# Altium PCB PCB MODULE AM625.PcbDoc (part 4 of 4)
Units mm, origin at the board's own origin, x right, y up, seen from the top; angles counter-clockwise.
Board outline 32.5 x 31.2 mm, 10 copper layers (Signal TOP, Ground Plane 1 (GND), Signal RAM 1, POWER 1, Signal IO 1, Signal IO 2, POWER 2, Signal RAM 2, Ground Plane 2 (GND), Signal Bottom), stack 1.563 mm thick; 228 components, 260 nets, 1274 pads, 470 vias.
Unrouted connection lines stored in the file: 1.
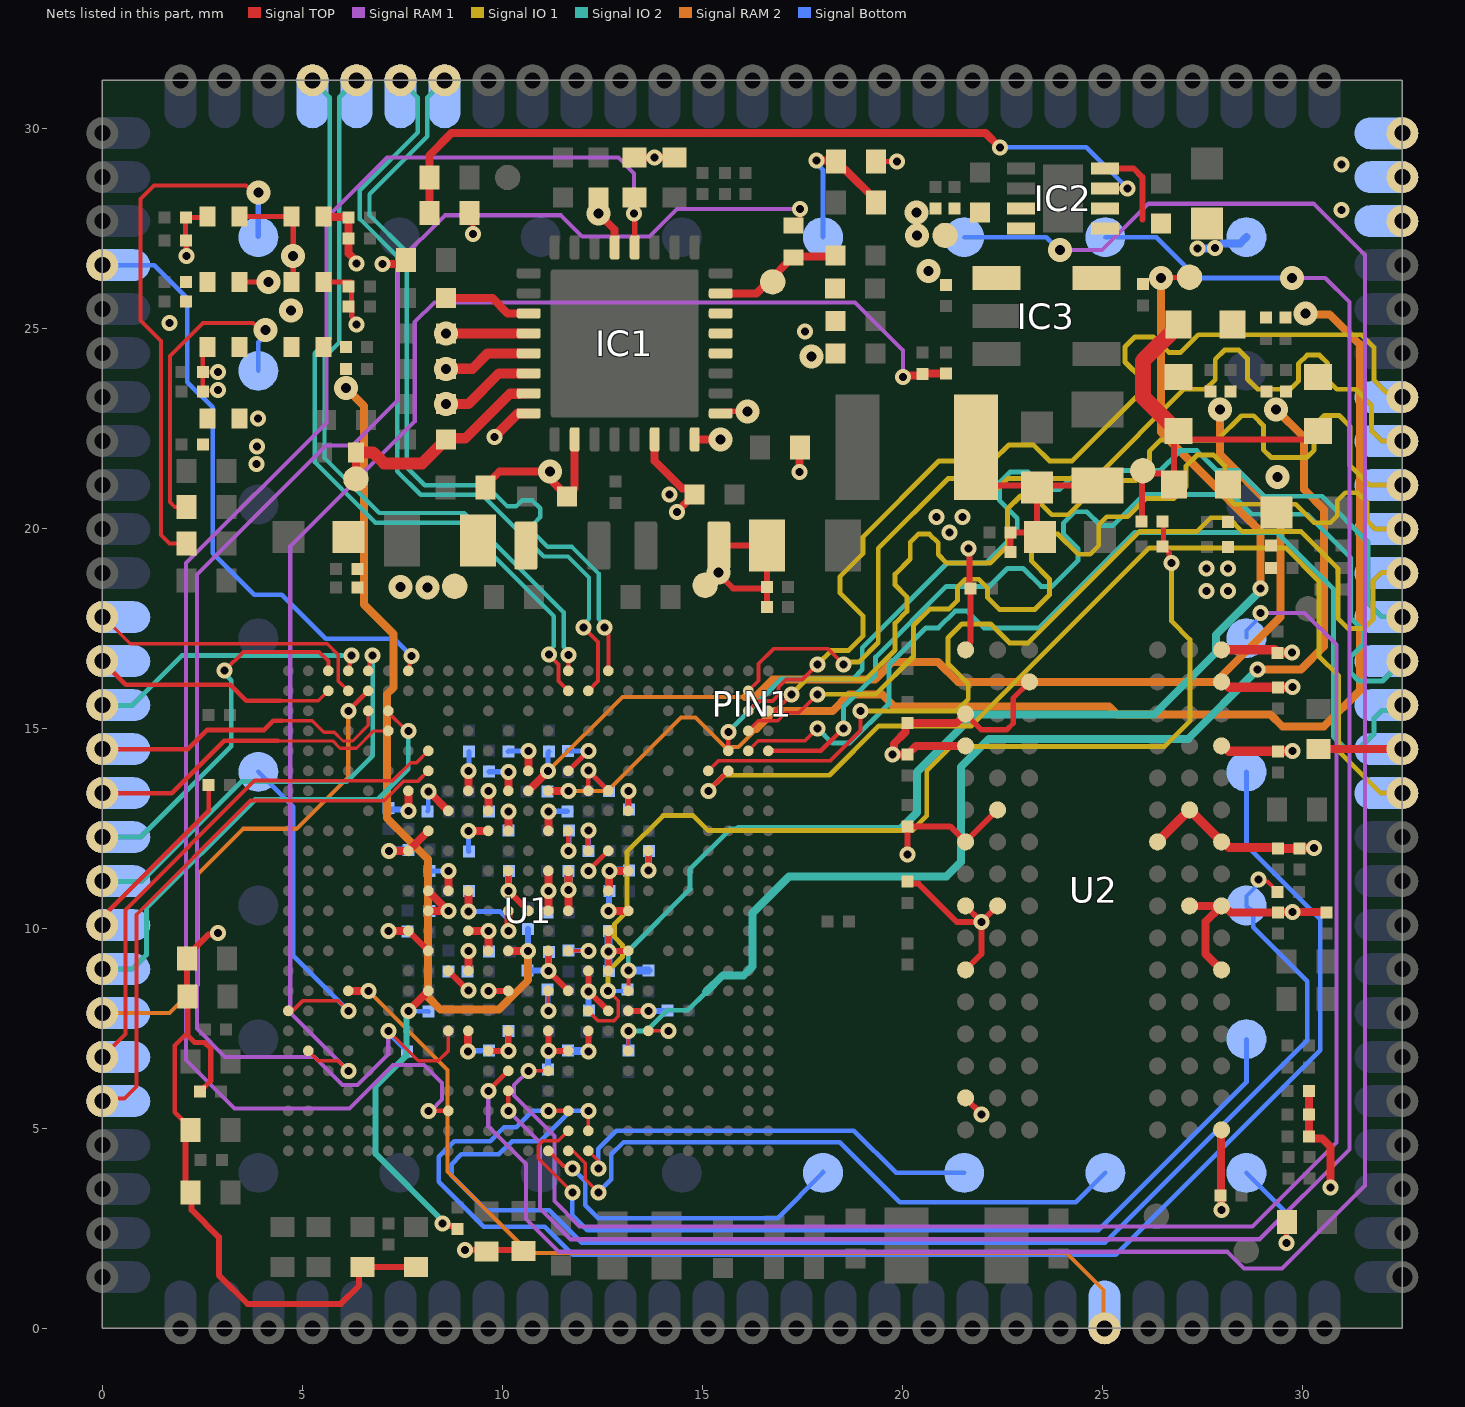
[diagram p12: the nets of this part, all layers, seen from the top]

## Via types
v1: diameter 0.4, hole 0.2, Signal TOP to Signal Bottom, tented both sides, 441 vias
v2: diameter 0.6, hole 0.25, Signal TOP to Signal Bottom, tented both sides, 29 vias

## Nets (pads, with @x,y where several pads share a name; then routed paths per layer and width w, separated by ;. In a path a pad name is that pad's centre, name@x,y a point inside that pad or via, vN(x,y) a via of type N, cw(c..) or ccw(c..) an arc to the next point about the centre after c; other vN are vias at no path point) (continued)
RGMII1_TXC: PIN1.24 PIN1.24_1 PIN1.24_2 U1.AE19 | length 15.5
  Signal TOP w0.114: U1.AE19@7.65,16.436 7.686,16.472 7.686,16.755 v1(7.732,16.802)
  Signal Bottom w0.117: PIN1.24_2@0,26.579 PIN1.24@0.4,26.579 1.296,26.579 2.126,25.749 2.126,23.656 2.76,23.022 2.76,19.374 3.795,18.339 4.486,18.339 5.585,17.24 7.294,17.24 v1(7.732,16.802)
RGMII2_RD0: PIN1.11 PIN1.11_1 PIN1.11_2 U1.AE23 | length 9.3
  Signal TOP w0.1: v1(3.056,16.442) 3.525,16.911 5.417,16.911 5.65,16.678 U1.AE23@5.65,16.436
  Signal IO 2 w0.122: PIN1.11_2@0,12.279 0.955,12.279 3.225,14.549 3.225,16.197 3.056,16.366 v1(3.056,16.442)
RGMII2_RD1: PIN1.12 PIN1.12_1 PIN1.12_2 U1.AB20 | length 7.9
  Signal TOP w0.08: 4.395,14.685 5.759,14.685 5.943,14.502 6.355,14.502 6.789,14.936 U1.AB20@7.15,14.936
  Signal TOP w0.117: PIN1.12_2@0,13.379 1.737,13.379 3.043,14.685 4.395,14.685
RGMII2_RD2: PIN1.13 PIN1.13_1 PIN1.13_2 U1.AC21 | length 7.7
  Signal TOP w0.08: 4.5,15.191 5.248,15.191 5.539,14.899 5.8,14.899 6.017,14.682 6.258,14.682 6.65,15.073 U1.AC21@6.65,15.436
  Signal TOP w0.117: PIN1.13_2@0,14.479 2.139,14.479 2.616,14.956 4.041,14.956 4.275,15.191 4.5,15.191
RGMII2_RD3: PIN1.14 PIN1.14_1 PIN1.14_2 U1.AE22 | length 7.2
  Signal TOP w0.117: U1.AE22@6.147,16.438 6.186,16.476 6.186,16.782 v1(6.228,16.824)
  Signal IO 2 w0.122: PIN1.14_2@0,15.567 0.739,15.567 1.995,16.824 v1(6.228,16.824)
RGMII2_RX_CTL: PIN1.16 PIN1.16_1 PIN1.16_2 U1.AD22 | length 7.4
  Signal TOP w0.09: PIN1.16_2@0,17.779 PIN1.16_2@0.036,17.779 ; PIN1.16_2@0.018,17.797 PIN1.16_2@0.036,17.779 ; PIN1.16_2@0.128,17.779 PIN1.16_2@0.036,17.779 ; U1.AD22@6.15,15.936 5.895,16.191 5.895,16.841 5.622,17.113 0.702,17.113 PIN1.16_2@0.036,17.779
RGMII2_RXC: PIN1.15 PIN1.15_1 PIN1.15_2 U1.AD23 | length 6.2
  Signal TOP w0.09: 4.453,15.686 5.399,15.686 U1.AD23@5.65,15.936
  Signal TOP w0.117: PIN1.15_2@0,16.679 0.587,16.092 3.195,16.092 3.602,15.686 4.453,15.686
RGMII2_TD0: PIN1.5 PIN1.5_1 PIN1.5_2 U1.Y18 | length 14.1
  Signal TOP w0.09: 4.407,13.191 4.408,13.192 7.05,13.192 7.539,13.681 7.895,13.681 U1.Y18@8.15,13.936
  Signal TOP w0.1: PIN1.5_2@0,5.679 0.061,5.739 0.55,5.739 0.858,6.047 0.858,10.339 3.71,13.191 4.407,13.191
RGMII2_TD1: PIN1.6 PIN1.6_1 PIN1.6_2 U1.AA18 | length 13.1
  Signal TOP w0.09: 4.41,13.69 4.414,13.686 7.255,13.686 7.711,14.142 7.856,14.142 U1.AA18@8.15,14.436
  Signal TOP w0.1: PIN1.6_2@0,6.779 0.575,7.354 0.575,10.456 3.809,13.69 4.41,13.69
RGMII2_TD2: PIN1.7 PIN1.7_1 PIN1.7_2 U1.AD21 | length 12.6
  Signal TOP w0.117: v1(6.15,15.436) U1.AD21@6.65,15.936
  Signal RAM 2 w0.102: PIN1.7_2@0,7.879 1.683,7.879 2.392,8.587 2.392,11.363 3.518,12.488 4.85,12.488 6.15,13.788 v1(6.15,15.436)
RGMII2_TD3: PIN1.8 PIN1.8_1 PIN1.8_2 U1.AC20 | length 12.1
  Signal TOP w0.09: U1.AC20@7.15,15.436 7.15,15.397 7.61,14.936 v1(7.65,14.936)
  Signal IO 2 w0.122: PIN1.8_2@0,8.979 0.75,8.979 1.104,9.332 1.104,10.504 3.819,13.219 6.887,13.219 7.65,13.982 v1(7.65,14.936)
RGMII2_TX_CTL: PIN1.9 PIN1.9_1 PIN1.9_2 R52.1 | length 4.6
  Signal TOP w0.117: PIN1.9_2@0,10.079 0,10.275 0.325,10.6 2.658,12.933 R52.1@2.658,13.587
RGMII2_TXC: PIN1.10 PIN1.10_1 PIN1.10_2 U1.AE21 | length 11
  Signal TOP w0.117: U1.AE21@6.647,16.438 6.686,16.476 6.686,16.663 6.76,16.737 v1(6.76,16.823)
  Signal IO 2 w0.122: PIN1.10_2@0,11.167 0.975,11.167 3.476,13.668 6.111,13.668 6.76,14.317 v1(6.76,16.823)
SD_PWR_EN: PIN1.87 PIN1.87_1 U1.J22 | length 24.4
  Signal TOP w0.2: U1.J22@6.15,8.436 v1(6.65,8.436)
  Signal RAM 2 w0.102: v1(6.65,8.436) 8.631,6.455 8.631,3.923 10.674,1.88 24.107,1.88 25.025,0.962 25.025,0.031 PIN1.87_1@25.056,0
SoC_EMU0: PIN1.119 U1.E12 | length 40.4
  Signal TOP w0.09: v1(10.65,6.436) U1.E12@11.15,6.436
  Signal RAM 1 w0.102: v1(10.65,6.436) 10.292,6.078 10.292,5.817 11.3,4.809 11.3,3.178 11.928,2.55 28.75,2.55 30.85,4.65 30.85,17.089 30.06,17.879 v1(28.95,17.879)
  Signal Bottom w0.1: PIN1.119@28.603,17.274 28.603,17.45 28.95,17.798 v1(28.95,17.879)
SoC_EMU1: PIN1.120 U1.C11 | length 37
  Signal TOP w0.117: v1(11.15,5.436) U1.C11@11.65,5.436
  Signal Bottom w0.117: v1(11.15,5.436) 10.763,5.436 10.352,5.025 10.042,5.025 9.694,4.676 8.797,4.676 8.413,4.292 8.413,3.664 9.535,2.542 11.058,2.542 11.763,1.837 25.337,1.837 30.45,6.95 30.45,10.231 28.603,12.078 PIN1.120@28.603,13.911
SOC_MMC0_CLK: PIN1.69 PIN1.69_1 R13.1 | length 2.1
  Signal TOP w0.2: R13.1@30.4,14.488 30.405,14.484 32.495,14.484 PIN1.69_1@32.5,14.479
SOC_MMC0_CMD: PIN1.70 PIN1.70_1 U1.Y3 | length 25.3
  Signal TOP w0.12: v1(15.153,13.436) 15.153,13.438 15.65,13.934 U1.Y3@15.65,13.936 U1.Y3@15.644,13.936
  Signal IO 1 w0.122: v1(15.153,13.436) 15.543,13.825 18.179,13.825 19.415,15.061 21.727,15.061 26.175,19.51 29.59,19.51 30.416,18.684 30.416,16.803 30.908,16.311 30.908,14.431 31.961,13.379 PIN1.70_1@32.5,13.379
SOC_MMC0_DAT0: PIN1.68 PIN1.68_1 U1.AA2 | length 24.9
  Signal TOP w0.09: U1.AA2@16.15,14.436 16.4,14.686 17.566,14.686 v1(17.88,15)
  Signal IO 2 w0.122: v1(17.88,15) 18.252,14.628 18.677,14.628 19.668,15.618 19.668,16.584 20.594,17.51 20.902,17.51 21.32,17.928 21.622,17.928 22.04,17.51 23.431,17.51 25.818,19.898 29.366,19.898 30.778,18.485 30.778,14.792 31.055,14.516 31.442,14.516 31.795,14.869 31.795,15.25 31.995,15.449 32.37,15.449 PIN1.68_1@32.5,15.579
SOC_MMC0_DAT1: PIN1.67 PIN1.67_1 U1.AA1 | length 24.9
  Signal TOP w0.117: U1.AA1@16.65,14.436 17.966,14.436 v1(18.53,15)
  Signal IO 2 w0.122: v1(18.53,15) 18.53,15.539 19.333,16.343 19.333,16.779 21.102,18.548 22.179,18.548 22.627,18.996 23.022,18.996 23.47,18.548 23.746,18.548 24.395,19.197 24.395,19.49 24.035,19.851 24.035,20.14 24.308,20.413 24.615,20.413 24.955,20.073 25.271,20.073 26.041,20.843 28.244,20.843 28.738,20.35 30.12,20.35 31.207,19.263 31.207,17.755 31.537,17.426 31.537,17.114 31.207,16.785 31.207,16.387 31.411,16.184 32.005,16.184 PIN1.67_1@32.5,16.679
SOC_MMC0_DAT2: PIN1.66 PIN1.66_1 U1.AA3 | length 24.9
  Signal TOP w0.122: U1.AA3@15.65,14.436 v1(15.65,14.912)
  Signal IO 2 w0.122: v1(15.65,14.912) 16.967,16.23 18.761,16.23 19,16.47 19,17.011 21.121,19.132 22.097,19.132 22.875,19.909 22.875,20.251 22.433,20.692 22.433,21.145 22.692,21.403 23.148,21.403 23.588,20.963 23.928,20.963 24.406,21.441 26.443,21.441 26.945,21.943 27.366,21.943 27.868,21.441 28.405,21.441 29.046,20.8 30.496,20.8 31.638,19.658 31.638,18.139 31.989,17.788 32.491,17.788 PIN1.66_1@32.5,17.779
SOC_MMC0_DAT3: PIN1.65 PIN1.65_1 U1.Y4 | length 25.3
  Signal TOP w0.09: U1.Y4@15.15,13.936 15.398,14.184 18.195,14.184 18.955,14.944 18.955,15.431 v1(18.95,15.436)
  Signal IO 1 w0.122: v1(18.95,15.436) 21.358,15.436 21.649,15.727 21.649,16.114 21.138,16.626 21.138,17.258 21.491,17.611 22.205,17.611 22.681,17.135 23.144,17.135 25.927,19.917 27.36,19.917 27.706,20.263 28.158,20.263 28.503,19.917 29.969,19.917 30.894,18.992 30.894,17.743 31.147,17.491 31.538,17.491 31.765,17.718 31.765,18.677 31.987,18.899 32.48,18.899 PIN1.65_1@32.5,18.879
SOC_MMC0_DAT4: PIN1.64 PIN1.64_1 U1.AB2 | length 25.3
  Signal TOP w0.09: U1.AB2@16.15,14.936 16.4,15.186 16.888,15.186 17.088,15.386 17.415,15.386 v1(17.88,15.85)
  Signal IO 1 w0.122: v1(17.88,15.85) 19.335,15.85 20.281,16.796 20.281,17.573 20.687,17.979 21.166,17.979 21.377,18.19 21.377,18.529 21.574,18.726 21.913,18.726 22.134,18.505 22.134,18.268 22.429,17.973 23.317,17.973 23.679,18.334 23.679,18.731 23.232,19.177 23.232,19.61 23.479,19.856 23.892,19.856 24.396,19.352 24.696,19.352 24.911,19.567 24.911,20.087 25.111,20.288 25.632,20.288 26.091,20.747 26.799,20.747 27.097,21.045 27.097,21.559 27.368,21.83 27.781,21.83 28.071,21.541 28.071,20.834 28.304,20.601 29.832,20.601 30.295,20.137 30.698,20.137 30.874,20.314 30.874,20.684 31.078,20.888 31.38,20.888 31.621,20.647 31.621,20.185 31.828,19.979 PIN1.64_1@32.5,19.979
SOC_MMC0_DAT5: PIN1.63 PIN1.63_1 U1.AC1 | length 25.3
  Signal TOP w0.1: U1.AC1@16.65,15.436 16.816,15.436 v1(17.23,15.85)
  Signal IO 1 w0.122: v1(17.23,15.85) 17.605,16.225 19.086,16.225 19.819,16.958 19.819,17.628 20.115,17.923 20.115,18.288 19.819,18.583 19.819,18.853 20.198,19.232 20.198,19.655 20.399,19.856 20.677,19.856 20.897,19.636 20.897,19.346 21.114,19.129 22.193,19.129 22.631,19.567 22.631,20.484 22.955,20.808 23.271,20.808 23.741,20.338 24.148,20.338 24.646,20.836 25.085,20.836 25.446,21.197 25.843,21.197 26.176,21.53 26.176,21.927 26.459,22.21 27.875,22.21 28.48,22.815 28.782,22.815 29.028,22.569 29.028,21.967 29.226,21.769 30.111,21.769 30.295,21.953 30.295,22.567 30.548,22.82 30.922,22.82 31.191,22.551 31.191,21.574 31.686,21.079 PIN1.63_1@32.5,21.079
SOC_MMC0_DAT6: PIN1.62 PIN1.62_1 U1.AD2 | length 25.3
  Signal TOP w0.09: U1.AD2@16.15,15.936 16.406,16.192 16.406,16.61 16.779,16.984 18.146,16.984 v1(18.53,16.6)
  Signal IO 1 w0.122: v1(18.53,16.6) 18.583,16.653 18.909,16.653 19.4,17.144 19.4,19.501 21.141,21.243 21.457,21.243 21.91,20.79 22.178,20.79 22.631,21.243 24.808,21.243 27.041,23.475 27.581,23.475 27.824,23.718 27.824,24.225 28.056,24.457 28.415,24.457 28.629,24.243 28.629,23.729 28.883,23.475 29.696,23.475 29.902,23.681 29.902,24.11 30.122,24.33 30.43,24.33 30.634,24.125 30.634,23.702 30.861,23.475 31.331,23.475 31.728,23.078 31.728,22.445 31.989,22.185 32.494,22.185 PIN1.62_1@32.5,22.179
SOC_MMC0_DAT7: PIN1.61 PIN1.61_1 U1.AC2 | length 25.3
  Signal TOP w0.099: U1.AC2@16.15,15.436 16.399,15.686 16.75,15.686 16.903,15.839 16.903,16.038 17.087,16.222 17.503,16.222 v1(17.88,16.6)
  Signal IO 1 w0.122: v1(17.88,16.6) 18.222,16.942 18.653,16.942 19.014,17.303 19.014,17.813 18.44,18.387 18.44,18.79 19.014,19.364 19.014,19.78 20.919,21.685 22.266,21.685 22.668,22.086 23.277,22.086 23.679,21.685 24.249,21.685 25.996,23.431 25.996,23.728 25.567,24.157 25.567,24.537 25.813,24.783 26.277,24.783 26.662,24.398 26.963,24.398 27.402,24.838 31.475,24.838 31.789,24.525 31.789,23.71 32.09,23.409 32.37,23.409 PIN1.61_1@32.5,23.279
SoC_TCK: PIN1.125 U1.A10 | length 10.8
  Signal TOP w0.09: U1.A10@12.15,4.436 12.4,4.185 v1(12.4,4)
  Signal Bottom w0.117: v1(12.4,4) 12.4,4.492 12.85,4.942 18.787,4.942 19.844,3.885 PIN1.125@21.545,3.885
SoC_TDI: PIN1.124 U1.A11 | length 15.9
  Signal TOP w0.09: U1.A11@11.65,4.436 11.764,4.436 12.075,4.125 12.075,3.725 v1(12.4,3.4)
  Signal Bottom w0.117: v1(12.4,3.4) 12.722,3.722 12.722,4.347 13.03,4.655 18.434,4.655 19.939,3.15 24.339,3.15 PIN1.124@25.074,3.885
SoC_TDO: PIN1.123 R16.1 | length 2.7
  Signal TOP w0.117: v1(29.6,2.136) 29.6,2.651 R16.1@29.612,2.663
  Signal Bottom w0.117: PIN1.123@28.603,3.885 29.6,2.888 v1(29.6,2.136)
SoC_TMS: PIN1.122 U1.B11 | length 22.6
  Signal TOP w0.09: U1.B11@11.65,4.936 11.4,4.686 11.018,4.686 10.899,4.567 10.899,4.25 v1(11.75,3.4)
  Signal Bottom w0.117: v1(11.75,3.4) 11.75,2.822 12.122,2.45 24.904,2.45 28.603,6.149 PIN1.122@28.603,7.227
SoC_TRST#: PIN1.121 R17.2 U1.B10 | length 34.3
  Signal TOP w0.09: U1.B10@12.15,4.936 v1(12.15,5.436)
  Signal TOP w0.1: v1(28.907,11.224) 28.964,11.167 29.13,11.167 R17.2@29.385,10.912
  Signal Bottom w0.1: PIN1.121@28.603,10.59 28.603,10.812 28.85,11.059 28.85,11.167 v1(28.907,11.224)
  Signal Bottom w0.117: v1(12.15,5.436) 11.711,5.436 10.951,4.676 10.243,4.676 9.916,4.349 8.979,4.349 8.733,4.104 8.733,3.815 9.594,2.954 11.174,2.954 11.987,2.141 25.065,2.141 30.125,7.2 30.125,8.674 28.772,10.027 28.772,10.4 PIN1.121@28.603,10.569
SoC_USB0_VBUS: PIN1.109 R53.2 | length 13.6
  Signal TOP w0.1: R53.2@2.11,19.617 1.683,19.617 1.463,19.838 1.463,24.687 0.952,25.197 0.952,28.227 1.293,28.568 3.596,28.568 3.765,28.4 v2(3.9,28.4)
  Signal Bottom w0.13: PIN1.109@3.9,27.3 v2(3.9,28.4)
SoC_USB1_VBUS: PIN1.136 R57.2 | length 8
  Signal TOP w0.1: R57.2@2.11,20.53 1.812,20.53 1.689,20.653 1.689,24.308 2.518,25.137 3.77,25.137 3.947,24.961 v2(4.079,24.961)
  Signal Bottom w0.117: PIN1.136@3.9,23.937 3.9,24.651 4.079,24.83 v2(4.079,24.961)
SoC_VDDSHV5_SDIO: C64.1 FL4.1 U1.G17 | length 42.6
  Signal TOP w0.09: v1(7.15,7.436) 7.9,6.685 8.402,6.685 8.65,6.933 U1.G17@8.65,7.436
  Signal TOP w0.117: FL4.1@17.275,27.572 17.296,27.572 17.437,27.714 v1(17.437,27.986)
  Signal RAM 1 w0.102: v1(7.15,7.436) 7.15,6.857 6.376,6.083 6.01,6.083 5.305,6.788 3.072,6.788 2.365,7.495 2.365,18.845 5.591,22.071 6.257,22.071 7.398,23.212 7.398,26.655 8.569,27.826 11.473,27.826 11.998,27.3 13.682,27.3 14.368,27.986 v1(17.437,27.986)
  Signal Bottom w0.117: v1(7.15,7.436) 7.15,7.387 C64.1@7.619,6.917
TPS22965_EN: IC2.3 R28.1 R30.1 | length 20.3
  Signal TOP w0.13: IC2.3@25.089,28.516 IC2.3@25.07,28.498 v1(25.63,28.498)
  Signal TOP w0.2: R30.1@8.18,27.884 8.18,29.326 8.733,29.879 22.083,29.879 v1(22.437,29.526) v1(22.437,29.526)
  Signal Bottom w0.117: v1(22.437,29.526) 24.602,29.526 v1(25.63,28.498)
TS_INT: PIN1.133 U1.H25 | length 8.6
  Signal TOP w0.09: U1.H25@4.65,7.936 4.684,7.97 4.793,7.97 5.007,8.184 5.901,8.184 v1(6.15,7.936)
  Signal Bottom w0.117: PIN1.133@3.9,13.911 4.772,13.039 4.772,9.314 v1(6.15,7.936)
UART0_RX: PIN1.115 U1.D14 | length 52.7
  Signal TOP w0.117: v1(10.15,5.436) U1.D14@10.15,5.936
  Signal RAM 1 w0.102: v1(10.15,5.436) 10.943,4.642 10.943,2.99 11.707,2.226 28.926,2.226 31.175,4.475 31.175,25.655 30.574,26.256 v2(29.747,26.256)
  Signal Bottom w0.117: PIN1.115@25.074,27.279 26.353,27.279 27.376,26.256 v2(29.747,26.256)
UART0_TX: PIN1.114 U1.E14 | length 61.1
  Signal TOP w0.117: v1(9.65,5.936) U1.E14@10.15,6.436
  Signal RAM 1 w0.102: v1(9.65,5.936) 9.65,5.048 10.596,4.102 10.596,2.729 11.412,1.913 28.125,1.913 28.538,1.5 29.495,1.5 31.569,3.575 31.569,26.831 30.286,28.114 26.156,28.114 24.997,26.954 v2(23.943,26.954)
  Signal Bottom w0.117: PIN1.114@21.545,27.279 23.596,27.279 23.92,26.954 v2(23.943,26.954)
USB0_N: PIN1.32 PIN1.32_1 U1.AE11 | length 18.9
  Signal TOP w0.099: U1.AE11@11.65,16.436 11.655,16.442 11.655,16.827 v1(11.661,16.833)
  Signal IO 2 w0.109: PIN1.32_1@6.356,31.2 6.35,31.2 5.925,30.776 5.925,24.644 5.555,24.274 5.555,21.754 6.926,20.384 9.048,20.384 11.532,17.9 11.532,17.04 11.661,16.911 v1(11.661,16.833)
USB0_P: PIN1.31 PIN1.31_1 U1.AD11 | length 19.6
  Signal TOP w0.099: v1(11.162,16.848) 11.162,16.834 11.401,16.594 11.401,16.184 U1.AD11@11.65,15.936
  Signal IO 2 w0.109: PIN1.31_1@5.256,31.2 5.684,30.772 5.684,24.744 5.314,24.374 5.314,21.654 6.826,20.142 8.948,20.142 11.291,17.8 11.291,17.055 11.162,16.926 v1(11.162,16.848)
USB1_N: PIN1.33 PIN1.33_1 U1.AD10 | length 20
  Signal TOP w0.099: v1(12.025,17.525) 12.398,17.152 12.398,16.184 U1.AD10@12.15,15.936
  Signal IO 2 w0.109: PIN1.33_1@7.456,31.2 7.885,30.771 7.885,29.897 6.439,28.451 6.439,27.731 7.371,26.8 7.371,21.426 7.959,20.838 9.496,20.838 11.039,19.294 11.642,19.294 12.167,18.769 12.167,17.734 12.025,17.593 v1(12.025,17.525)
USB1_P: PIN1.34 PIN1.34_1 U1.AE9 | length 20
  Signal TOP w0.099: v1(12.55,17.525) 12.55,17.444 12.65,17.344 U1.AE9@12.65,16.436
  Signal IO 2 w0.109: 8.126,29.896 8.126,29.797 6.681,28.351 6.681,27.831 7.612,26.9 7.612,21.526 8.059,21.079 9.596,21.079 10.119,20.555 10.352,20.555 10.499,20.702 10.745,20.702 10.949,20.499 10.949,20.28 10.779,20.11 10.779,19.896 11.139,19.535 11.742,19.535 12.408,18.869 12.408,17.734 12.55,17.593 v1(12.55,17.525) ; 8.127,29.896 8.127,30.587 ; 8.126,30.587 8.126,30.771 PIN1.34_1@8.556,31.2
VCC_1V8: C28.2 C32.1 C114.1 C115.1 C116.1 C118.1 C119.1 IC1.20 IC1.32 L2.2 R41.2 TP4.1 U1.G10 U1.J18 U1.T7 | length 17.2
  Signal TOP w0.15: v1(8.504,2.622) 8.572,2.622 8.634,2.56 8.81,2.56 R41.2@8.885,2.485 ; U1.G10@12.15,7.436 12.155,7.43 12.155,6.922 v1(12.16,6.917) ; v1(13.65,11.449) U1.T7@13.65,11.936 ; L2.2@15.399,19.016 15.325,18.942 15.772,18.495 16.583,18.495 C114.1@16.618,18.53 C28.2@16.618,19.564 ; v2(15.4,18.9) L2.2@15.4,19.016 ; L2.2@15.412,19.568 16.617,19.568 16.618,19.567 C28.2@16.618,19.564 ; C114.1@16.593,18.46 16.618,18.484 C115.1@16.618,18.03 C115.1@16.618,18.03 ; C28.2@16.621,19.568 C28.2@16.618,19.564
  Signal TOP w0.2: v1(7.652,7.939) U1.J18@8.15,8.436 ; IC1.32@14.811,22.222 v2(15.456,22.222)
  Signal TOP w0.254: C32.1@8.597,24.872 IC1.20@10.661,24.872
  Signal IO 2 w0.15: v1(7.652,7.939) 7.604,7.891 7.604,7.73 7.6,7.726 7.6,6.812 6.833,6.045 6.833,4.361 8.504,2.689 v1(8.504,2.622)
  Signal Bottom w0.117: v1(7.652,7.939) 7.661,7.93 8.151,7.93 C116.1@8.16,7.921
  Signal Bottom w0.15: v1(13.65,11.449) 13.657,11.457 13.657,11.919 C119.1@13.664,11.926
  Signal Bottom w0.2: C118.1@11.645,6.94 11.657,6.928 12.149,6.928 v1(12.16,6.917)
  other v2: 8.597,24.871
VCC_3V3_MAIN: C24.1 C25.1 C26.1 C27.1 C29.1 C34.1 C38.1 C39.1 C40.2 C41.1 IC1.4 IC1.5 IC1.6 IC1.13 IC1.22 IC1.26 IC1.30 IC2.1 IC2.2 IC2.4 IC3.1 PIN1.55 PIN1.55_1 PIN1.56 PIN1.56_1 PIN1.57 PIN1.57_1 PIN1.116 R26.1 R29.2 R30.2 | length 14.9
  Signal TOP w0.117: R30.2@9.18,27.884 9.265,27.799 v1(9.265,27.354)
  Signal TOP w0.13: R29.2@19.345,29.169 v1(19.861,29.169)
  Signal TOP w0.15: IC2.4@25.07,28.998 25.78,28.998 25.999,28.779 25.999,27.714
  Signal TOP w0.2: R26.1@9.579,21.018 9.579,21.068 9.936,21.425 v2(11.19,21.425) 11.267,21.349 11.267,21.154 C26.1@11.621,20.8 11.811,20.99 IC1.26@11.811,22.222 ; C38.1@12.4,28.271 v2(12.4,27.875) 12.811,27.464 IC1.13@12.811,27.022 ; IC1.30@13.811,22.222 13.811,21.684 14.495,21 14.65,21 C27.1@14.8,20.85 14.362,20.412 v1(14.362,20.404)
  Signal TOP w0.254: v2(8.597,23.105) 9.152,23.105 9.919,23.872 IC1.22@10.661,23.872
  Signal Bottom w0.2: v1(27.374,27) 27.376,27.001 v1(27.824,27.002) v1(27.824,27.002) 27.878,27.002 28.001,27.126 28.45,27.126 PIN1.116@28.603,27.279
  other v1: 14.182,20.843 17.57,24.924 30.978,27.951 30.976,29.097
  other v2: 17.735,24.29 20.657,26.433
VCC_3V3_SYS: C43.1 C104.1 C105.1 C106.1 C107.1 C108.1 C109.1 C110.1 C111.1 C112.1 C113.1 C117.1 IC2.7 IC2.8 R18.2 R19.2 R20.2 R21.2 R33.2 R34.2 R36.2 R37.2 R40.2 R43.2 R44.2 R45.2 R46.2 TP9.1 U1.F11 U1.F15 U1.G12 U1.G14 U1.H9 U1.K10 U1.L18 U1.M19 U1.N18 U1.P18 U1.T19 U1.U18 U1.W16 U1.W19 U1.Y13 | length 34
  Signal TOP w0.11: 2.135,7.395 1.812,7.071 1.812,5.4 R46.2@2.2,5.011
  Signal TOP w0.13: R33.2@2.135,8.299 2.135,7.395 2.135,7.32 2.31,7.145 2.559,7.145 2.709,6.994 2.709,6.189 R40.2@2.441,5.921 ; U1.U18@8.15,12.436 U1.U18@8.16,12.436
  Signal TOP w0.15: R33.2@2.135,8.299 2.113,8.32 R34.2@2.113,9.25 2.113,9.3 2.653,9.84 2.848,9.84 v1(2.896,9.888) ; R46.2@2.2,5.011 R46.2@2.2,4.961 2.082,4.843 2.082,3.518 2.232,3.367 2.232,2.962 2.915,2.279 2.915,1.328 3.631,0.613 5.964,0.613 6.422,1.07 6.422,1.528 R43.2@7.843,1.528 ; U1.M19@7.65,9.936 U1.L18@8.15,9.436 ; v1(9.071,1.956) 10.509,1.956 R37.2@10.53,1.936 ; U1.F15@9.65,6.936 v1(10.15,6.936) U1.G14@10.15,7.436 ; U1.G12@11.15,7.436 v1(11.15,6.936) U1.F11@11.65,6.936 ; U1.K10@12.15,8.936 v1(12.15,8.425) 12.155,8.425 12.644,7.936 U1.H9@12.65,7.936
  Signal TOP w0.2: v1(7,26.606) 7.498,26.606 R18.2@7.597,26.705 ; v1(7.15,9.936) U1.M19@7.65,9.936 ; v1(7.162,11.936) U1.T19@7.65,11.936 U1.U18@8.15,12.436 ; v1(7.65,12.939) U1.W19@7.65,13.436 ; U1.N18@8.15,10.436 v1(8.65,10.436) U1.P18@8.15,10.936 ; U1.W16@9.15,13.436 v1(9.15,13.936) ; U1.Y13@10.65,13.936 10.655,13.942 10.655,14.43 v1(10.661,14.436) ; R20.2@13.311,29.271 v1(13.806,29.271) R21.2@14.3,29.271 ; v1@17.436,21.414 R19.2@17.436,22.021
  Signal Bottom w0.13: C107.1@8.179,10.436 v1(8.65,10.436) ; v1(9.15,13.936) 9.165,13.951 C111.1@9.164,14.421 ; C112.1@10.135,7.426 10.135,6.95 v1(10.15,6.936) ; C106.1@10.15,14.421 10.165,14.436 v1(10.661,14.436)
  Signal Bottom w0.15: v1(7.15,9.936) 7.16,9.925 7.624,9.925 C117.1@7.635,9.914 ; C110.1@7.15,13.012 7.187,12.975 7.613,12.975 v1(7.65,12.939) ; C108.1@11.145,6.465 11.147,6.467 11.147,6.934 v1(11.15,6.936) ; v1(12.15,8.425) 12.157,8.417 12.157,7.958 C113.1@12.165,7.95
  Signal Bottom w0.2: v1(7.162,11.936) 7.171,11.944 7.644,11.944 C109.1@7.652,11.953
  other v1: 17.435,21.413
  other v2: 20.367,27.315 20.36,27.891
VCC_5V0_EN: PIN1.113 R27.1 R29.1 | length 3.9
  Signal TOP w0.2: v1(17.858,29.2) 18.264,29.2 18.495,28.969 18.57,28.969 19.339,28.2 R27.1@19.339,28.15
  Signal Bottom w0.117: v1(17.858,29.2) 17.858,29.123 18.016,28.965 PIN1.113@18.016,27.279
VCC_CORE: C22.2 C23.2 C88.2 C89.1 C90.1 C91.1 C92.1 C93.1 C94.1 C95.1 C96.1 C97.1 C98.1 C99.1 C100.1 C101.1 C102.1 C103.1 FL3.1 FL7.1 FL9.1 FL11.1 IC1.1 L1.2 R49.2 TP3.1 U1.H8 U1.J11 U1.J14 U1.K17 U1.L12 U1.L15 U1.M16 U1.N8 U1.N11 U1.N13 U1.P17 U1.R11 U1.R14 U1.U12 U1.V8 U1.V15 U1.V17 | length 33.7
  Signal TOP w0.13: IC1.1@15.461,22.872 15.514,22.925 v2(16.135,22.925) 16.277,22.925 v2@16.355,22.847
  Signal TOP w0.15: U1.K17@8.65,8.936 8.651,8.936 9.148,8.439 v1(9.15,8.439) ; v1(9.653,8.436) U1.J14@10.15,8.436 ; U1.R14@10.15,11.436 v1(10.15,10.936) U1.N13@10.65,10.436 ; U1.L12@11.15,9.436 v1(11.15,8.936) U1.J11@11.65,8.436 ; U1.H8@13.15,7.936 v1(13.65,7.936) ; U1.V8@13.15,12.936 v1(13.149,13.436) ; L1.2@21.838,22.022 21.838,21.547 22.313,21.072 C22.2@24.879,21.072 ; C89.1@22.709,19.41 C90.1@22.709,19.89 23.336,19.89 C88.2@23.366,19.86 ; C23.2@23.366,21.018 C88.2@23.366,19.86 ; C88.2@23.444,19.782 C88.2@23.366,19.86 ; R49.2@25.977,20.172 25.995,20.19 25.995,21.423 TP3.1@26.013,21.441 26.078,21.376 26.537,21.376 FL9.1@26.787,21.126 ; FL9.1@26.787,21.101 FL9.1@26.787,21.126 ; FL7.1@26.875,22.43 FL7.1@26.9,22.43 ; FL11.1@30.398,22.43 30.186,22.218 27.112,22.218 FL7.1@26.9,22.43 ; FL9.1@26.787,21.126 26.787,22.317 FL7.1@26.9,22.43
  Signal TOP w0.2: v1(8.16,13.425) U1.V17@8.65,12.936 ; U1.P17@8.65,10.936 v1(8.65,11.432) ; U1.M16@9.15,9.936 9.151,9.934 9.648,9.934 v1(9.65,9.932) U1.L15@9.65,9.436 ; U1.V15@9.65,12.936 v1(9.65,13.429) ; U1.U12@11.15,12.436 v1(11.15,12.926) ; U1.N11@11.65,10.436 v1(11.65,10.96) U1.R11@11.65,11.436 ; v1(12.65,10.436) U1.N8@13.15,10.436
  Signal TOP w0.4: FL7.1@26.875,22.43 26.016,23.289 26.016,24.186 26.906,25.075 FL3.1@26.906,25.1
  Signal Bottom w0.1: C97.1@8.649,8.921 9.131,8.439 v1(9.15,8.439) ; v1(9.65,9.932) 9.65,9.437 C100.1@9.665,9.422
  Signal Bottom w0.12: C103.1@8.133,12.925 8.146,12.939 8.146,13.411 v1(8.16,13.425)